# Altium PCB SAMA5D27-SOM1-MFG-03.PcbDoc (part 2 of 6)
Units mm, origin at the board's own origin, x right, y up, seen from the top; angles counter-clockwise.
Board outline 40.03 x 38.03 mm, 6 copper layers (TOP, GND, IN2, IN3, PWR, BOTTOM), stack 1.24 mm thick; 188 components, 224 nets, 901 pads, 644 vias.
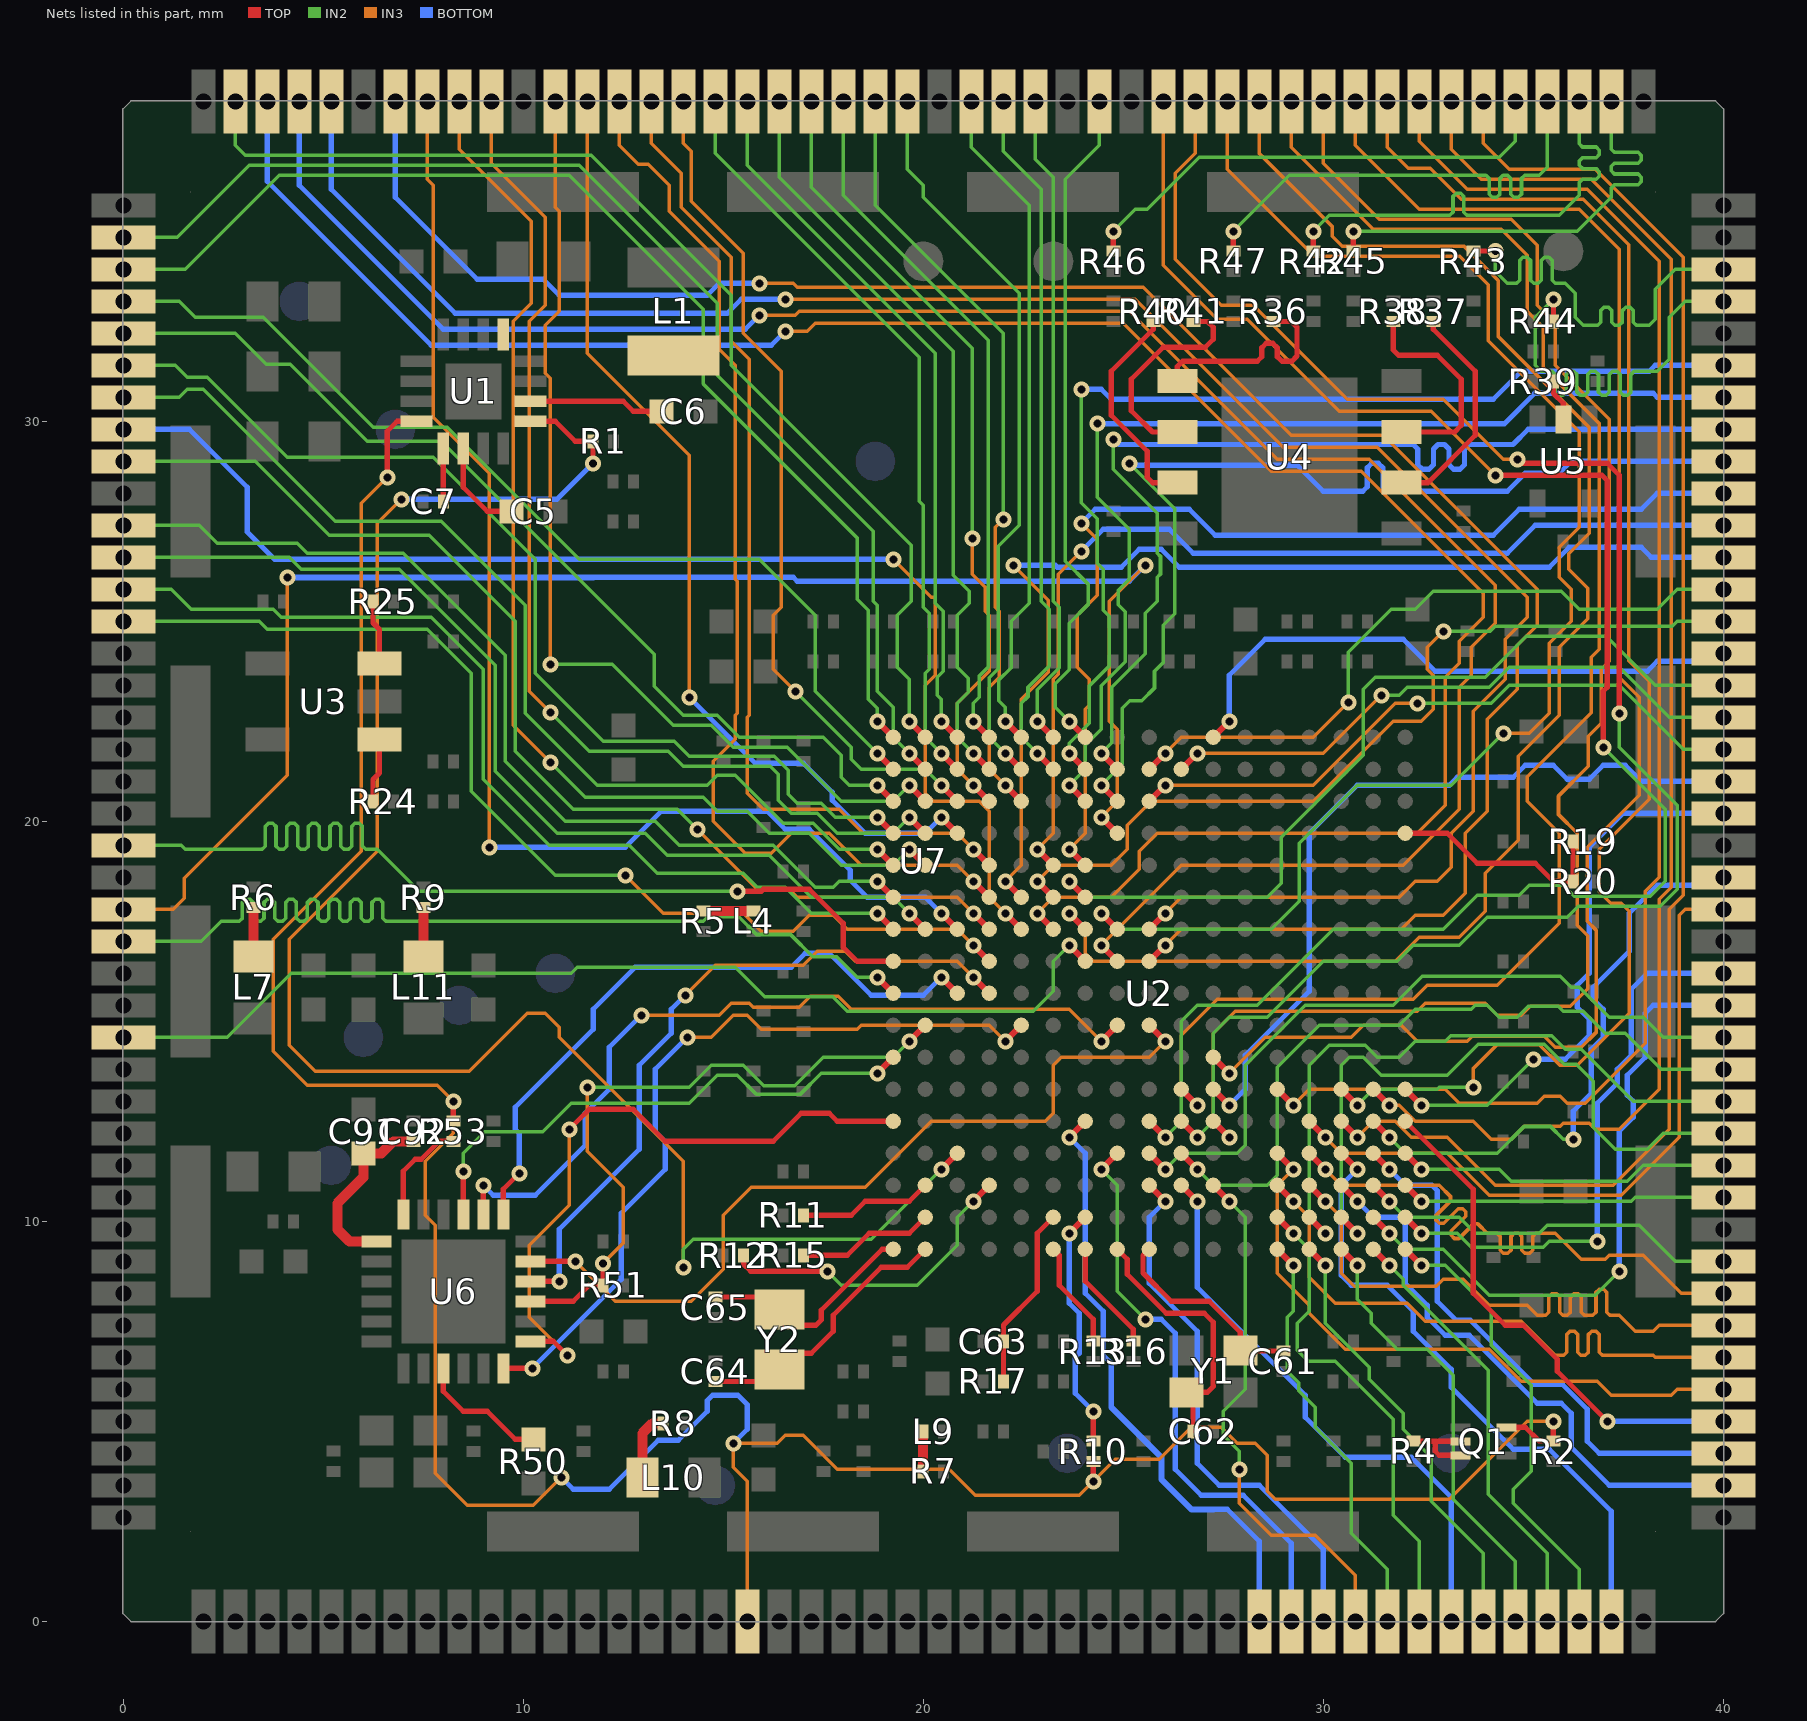
[diagram p6: the nets of this part, all layers, seen from the top]

## Via types
v1: diameter 0.4, hole 0.2, TOP to BOTTOM, tented both sides, 644 vias

## Nets (pads, with @x,y where several pads share a name; then routed paths per layer and width w, separated by ;. In a path a pad name is that pad's centre, name@x,y a point inside that pad or via, vN(x,y) a via of type N, cw(c..) or ccw(c..) an arc to the next point about the centre after c; other vN are vias at no path point) (continued)
GRX0_PD13: U2.N1 U6.13 | length 16.5
  TOP w0.13: U6.13@10.175,7 10.75,7 v1(11.1,6.65) ; v1(11.15,12.3) 11.65,12.8 12.75,12.8 13.55,12 16.25,12 16.95,12.7 17.65,12.7 17.85,12.5 U2.N1@19.25,12.5
  IN3 w0.09: v1(11.1,6.65) 10.15,7.6 10.15,9.4 11.15,10.4 v1(11.15,12.3)
GRX1_PD14: U2.K5 U6.12 | length 19.9
  TOP w0.13: U6.12@9.5,6.325 v1(10.225,6.325)
  TOP w0.15: v1(22.05,14.5) U2.K5@22.45,14.9
  IN3 w0.09: v1(14.1,14.6) 14.7,14.6 15.25,15.15 15.6,15.15 15.95,14.8 18.35,14.8 18.45,14.9 21.65,14.9 v1(22.05,14.5)
  BOTTOM w0.13: v1(10.225,6.325) 12.45,8.55 12.45,10.2 13.55,11.3 13.55,12 13.3,12.25 13.3,13.8 v1(14.1,14.6)
GRXDV_PD11: R51.2 U2.K2 U6.15 | length 17
  TOP w0.13: U6.15@10.175,8 11.25,8 11.65,8.4 R51.2@11.995,8.4 v1(11.995,8.95)
  TOP w0.15: v1(19.65,14.5) U2.K2@20.05,14.9
  IN2 w0.09: v1(11.6,13.35) 14.15,13.35 14.7,13.9 15.5,13.9 16.01,13.39 16.79,13.39 17.5,14.1 19.25,14.1 v1(19.65,14.5)
  IN3 w0.09: v1(11.6,13.35) 11.6,11.75 12.5,10.85 12.5,9.455 v1(11.995,8.95)
GRXER_PD12: U2.K9 U6.17 | length 21
  TOP w0.13: U6.17@10.175,9 v1(11.3,9)
  TOP w0.15: U2.K9@25.65,14.9 v1(26.05,14.5)
  IN3 w0.09: v1(11.3,9) 12.3,8 14.2,8 15,8.8 15,10.15 15.7,10.85 18.55,10.85 20.2,12.5 23.05,12.5 23.25,12.7 23.25,13.9 23.45,14.1 25.65,14.1 v1(26.05,14.5)
GTX0_PD15: U2.K8 U6.20 | length 20.5
  TOP w0.13: U6.20@9,10.175 v1(9,10.9)
  TOP w0.15: v1(24.45,14.5) U2.K8@24.85,14.9
  IN3 w0.09: v1(12.95,15.15) 14.9,15.15 15.2,15.45 15.65,15.45 15.75,15.35 16.9,15.35 17.175,15.625 17.875,15.625 18.2,15.3 23.65,15.3 v1(24.45,14.5)
  BOTTOM w0.13: v1(9,10.9) 9.25,10.65 10.3,10.65 11.55,11.9 11.55,12.7 12.15,13.3 12.15,14.35 v1(12.95,15.15)
GTX1_PD16: U2.L1 U6.21 | length 13.7
  TOP w0.13: U6.21@8.5,10.175 v1(8.5,11.25)
  TOP w0.15: v1(18.85,13.7) U2.L1@19.25,14.1
  IN2 w0.09: v1(8.5,11.25) 8.5,11.7 9.035,12.235 10.485,12.235 11.2,12.95 14.15,12.95 14.85,13.65 15.35,13.65 15.82,13.18 16.93,13.18 17.45,13.7 v1(18.85,13.7)
GTXCK_PD09: U2.J4 U6.16 | length 17.7
  TOP w0.13: U6.16@10.175,8.5 v1(10.9,8.5)
  TOP w0.15: v1(21.25,16.1) U2.J4@21.65,15.7
  IN3 w0.09: v1(14.05,15.65) 14.8,16.4 17,16.4 17.35,16.75 18.05,16.75 18.3,16.5 20.85,16.5 v1(21.25,16.1)
  BOTTOM w0.13: v1(10.9,8.5) 10.9,9.8 12.9,11.8 12.9,13.9 13.7,14.7 13.7,15.3 v1(14.05,15.65)
GTXEN_PD10: U2.J3 U6.19 | length 16.6
  TOP w0.13: U6.19@9.5,10.175 9.5,10.8 v1(9.9,11.2)
  TOP w0.15: v1(20.45,16.1) U2.J3@20.85,15.7
  BOTTOM w0.13: v1(9.9,11.2) 9.9,12.2 9.8,12.3 9.8,12.85 11.75,14.8 11.75,15.3 12.8,16.35 16.7,16.35 17.05,16.7 17.65,16.7 18.7,15.65 20,15.65 v1(20.45,16.1)
LOWQ#: R1.1 U1.1 U2.P3 | length 45.6
  TOP w0.13: U1.1@10.175,30 10.8,30 11.3,29.5 R1.1@11.745,29.5 v1(11.745,28.95)
  TOP w0.15: v1(20.45,11.3) U2.P3@20.85,11.7
  IN2 w0.09: v1(14,8.85) 14,9.3 14.25,9.55 18.7,9.55 v1(20.45,11.3)
  IN3 w0.09: v1(6.95,28.05) 6.35,27.45 6.35,19.25 4.15,17.05 4.15,14.4 4.8,13.75 8.65,13.75 10.1,15.2 10.55,15.2 10.9,14.85 10.9,14.6 14,11.5 v1(14,8.85)
  BOTTOM w0.13: v1(6.95,28.05) 10.845,28.05 v1(11.745,28.95)
N60136: C5.2 U1.14 | length 2.4
  TOP w0.13: U1.14@8.5,29.325 8.5,28.35 9.1,27.75 C5.2@9.7,27.75
N60145: C6.2 U1.2 | length 3.4
  TOP w0.13: U1.2@10.175,30.5 12.5,30.5 12.75,30.25 C6.2@13.45,30.25
N60152: C7.2 U1.13 | length 1.3
  TOP w0.13: U1.13@8,29.325 8,28.005 C7.2@8.005,28
N60658: L1.1 U1.5
N65779: R41.2 U4.6 | length 5.5
  TOP w0.13: U4.6@26.35,29.735 25.73,29.735 25.2,30.265 25.2,31.05 26,31.85 27.05,31.85 27.25,32.05 27.25,32.35 27.105,32.495 R41.2@26.75,32.495
N65781: R40.2 U4.7 | length 5.5
  TOP w0.13: R40.2@25.75,32.495 25.75,32.3 24.7,31.25 24.7,30.15 25.6,29.25 25.6,28.6 25.735,28.465 U4.7@26.35,28.465
N65787: R38.2 U4.3 | length 5.4
  TOP w0.13: R38.2@31.75,32.495 31.75,31.78 31.88,31.65 32.85,31.65 33.45,31.05 33.45,29.9 33.285,29.735 U4.3@31.95,29.735
N65789: R36.2 U4.5 | length 5.5
  TOP w0.13: U4.5@26.35,31.005 26.35,31.37 26.48,31.5 28.347,31.5 28.462,31.614 28.462,31.836 28.576,31.95 28.737,31.95 28.852,31.836 28.852,31.614 28.966,31.5 29.216,31.5 29.346,31.63 29.346,32.354 29.205,32.495 R36.2@28.75,32.495
N65791: R37.2 U4.2 | length 5.6
  TOP w0.13: U4.2@31.95,28.465 32.615,28.465 33.8,29.65 33.8,31.25 32.75,32.3 R37.2@32.75,32.495
N75160: R25.1 U3.3 | length 1.6
  TOP w0.13: R25.1@6.245,25.5 6.245,24.955 6.405,24.795 U3.3@6.405,23.95
N75249: R24.1 U3.1 | length 1.6
  TOP w0.13: R24.1@6.245,20.5 6.245,21.045 6.405,21.205 U3.1@6.405,22.05
N83378: C91.1 C92.2 U6.1 | length 4.6
  TOP w0.25: U6.1@6.325,9.5 5.65,9.5 5.35,9.8 5.35,10.45 6,11.1 C91.1@6,11.7 6.45,11.7 6.75,12 7.245,12 C92.2@7.25,11.995
N83440: R50.2 U6.9 | length 3.3
  TOP w0.13: U6.9@8,6.325 8,5.75 8.5,5.25 9.1,5.25 9.8,4.55 R50.2@10.25,4.55
N84773: R53.1 U6.24 | length 2.6
  TOP w0.13: U6.24@7,10.175 7,11.25 7.3,11.55 7.45,11.55 7.9,12 8.245,12 R53.1@8.25,11.995
N96789: Q1.5 Q1.6 R4.1 | length 2.1
  TOP w0.13: R4.1@32.25,4.505 32.255,4.5 32.8,4.5 ; Q1.6@33.425,4.15 32.9,4.15 32.8,4.25 32.8,4.5 ; Q1.5@33.425,4.5 32.8,4.5
N475155: R19.1 R20.1 U2.D17 | length 5.7
  TOP w0.13: U2.D17@32.05,19.7 33.1,19.7 33.85,18.95 35.3,18.95 35.75,18.5 R20.1@36.245,18.5 R19.1@36.245,19.5
N548565: L4.1 R5.2 | length 1.3
  TOP w0.25: R5.2@14.5,17.755 L4.1@15.75,17.755
N550521: L10.1 R8.2 | length 1.7
  TOP w0.25: L10.1@12.975,3.6 12.975,4.7 13.225,4.95 R8.2@13.495,4.95
N556458: R16.1 U2.U7 | length 2.8
  TOP w0.13: U2.U7@24.05,9.3 24.05,8.5 25.25,7.3 R16.1@25.25,7.005
N556482: R13.1 U2.U6 | length 2.7
  TOP w0.13: U2.U6@23.25,9.3 23.4,9.15 23.4,8.4 24.25,7.55 R13.1@24.25,7.005
N556582: C62.2 U2.U8 Y1.3 | length 6.8
  TOP w0.13: U2.U8@24.85,9.3 25.1,9.05 25.1,8.676 26.076,7.7 27.026,7.7 27.25,7.476 27.25,5.867 27.108,5.725 Y1.3@26.575,5.725 26.745,5.555 C62.2@26.745,4.75
N556590: C61.2 U2.U9 Y1.1 | length 5.2
  TOP w0.13: U2.U9@25.65,9.3 25.492,9.142 25.492,8.708 26.2,8 27.15,8 27.925,7.225 Y1.1@27.925,6.775 27.945,6.755 C61.2@29,6.755
N556626: C64.2 U2.U2 Y2.1 | length 6.9
  TOP w0.13: C64.2@14.8,5.995 16.095,5.995 Y2.1@16.4,6.3 16.8,6.7 17.2,6.7 17.75,7.25 17.75,7.65 18.95,8.85 19.6,8.85 U2.U2@20.05,9.3
N556646: C65.2 U2.U1 Y2.2 | length 5.7
  TOP w0.13: C65.2@14.8,8.105 16.095,8.105 Y2.2@16.4,7.8 16.8,7.4 17.32,7.4 17.45,7.53 17.45,7.774 18.976,9.3 U2.U1@19.25,9.3
N556866: C63.2 R17.2 U2.T6 | length 4.6
  TOP w0.13: R17.2@22.005,6 C63.2@22.005,7 22.005,7.405 22.85,8.25 22.85,9.7 U2.T6@23.25,10.1
N556920: R15.2 U2.T2 | length 3.4
  TOP w0.13: R15.2@17.005,9.15 18.1,9.15 18.65,9.7 19.65,9.7 U2.T2@20.05,10.1
N556986: R11.2 U2.R2 | length 3.4
  TOP w0.13: R11.2@17.005,10.15 18.2,10.15 18.55,10.5 19.65,10.5 U2.R2@20.05,10.9
N557072: R10.2 U2.T7 | length 6.1
  TOP w0.13: R10.2@24.25,4.505 v1(24.25,5.25)
  TOP w0.15: v1(23.65,9.7) U2.T7@24.05,10.1
  BOTTOM w0.13: v1(23.65,9.7) 23.65,7.95 23.9,7.7 23.9,6.7 23.8,6.6 23.8,5.7 v1(24.25,5.25)
N557076: R12.2 U2.R4 | length 8
  TOP w0.13: R12.2@15.505,9.15 15.505,8.93 15.685,8.75 v1(17.6,8.75)
  TOP w0.15: v1(21.25,10.5) U2.R4@21.65,10.9
  IN2 w0.09: v1(17.6,8.75) 17.95,8.4 19.85,8.4 20.85,9.4 20.85,10.1 v1(21.25,10.5)
N558800: L7.1 R6.2 | length 1.2
  TOP w0.25: L7.1@3.25,16.625 R6.2@3.25,17.845
N558888: L9.1 R7.2 | length 1
  TOP w0.25: R7.2@19.995,3.75 L9.1@19.995,4.75
N558996: L11.1 R9.2 | length 1.2
  TOP w0.25: L11.1@7.5,16.625 R9.2@7.5,17.845
N654631: R39.1 U5.2 | length 1.1
  TOP w0.13: R39.1@35.755,31 35.755,30.695 36,30.45 U5.2@36,30.05
NRST: Q1.3 R2.1 R10.1 R53.2 U1.12 U7.60 | length 74.5
  TOP w0.13: v1(6.6,28.6) 6.6,29.75 6.85,30 U1.12@7.325,30 ; R53.2@8.25,12.505 v1(8.25,13) ; v1(24.25,3.5) R10.1@24.25,3.995 ; Q1.3@34.575,4.85 35.05,4.85 35.395,4.505 R2.1@35.75,4.505 v1(35.75,5)
  IN3 w0.09: v1(6.6,28.6) 5.95,27.95 5.95,19.25 3.75,17.05 3.75,14.25 4.6,13.4 7.85,13.4 v1(8.25,13) 8.25,12.2 7.55,11.5 7.55,10.15 7.8,9.9 7.8,3.7 8.6,2.9 10.25,2.9 v1(10.95,3.6) ; U7.60@15.6,0 15.6,3.5 15.25,3.85 v1(15.25,4.45) 16.35,4.45 16.55,4.65 17,4.65 17.85,3.8 20.65,3.8 21.3,3.15 23.9,3.15 v1(24.25,3.5) 24.8,4.05 25.9,4.05 26.7,4.85 27.45,4.85 27.85,4.45 28.3,4.45 28.6,4.15 28.6,3.25 28.8,3.05 33.15,3.05 35.1,5 v1(35.75,5)
  BOTTOM w0.13: v1(10.95,3.6) 11.25,3.3 12.15,3.3 13.375,4.525 13.875,4.525 14.6,5.25 14.6,5.52 14.73,5.65 15.37,5.65 15.6,5.42 15.6,4.8 v1(15.25,4.45)
PA00/SDMMC0_CK/QSPIO0_SLK/D0: U2.U13 U7.80 | length 10.6
  TOP w0.15: U2.U13@28.85,9.3 v1(29.25,8.9)
  IN2 w0.09: v1(29.25,8.9) 29.25,7.75 29.1,7.6 29.1,6.25 29.385,5.965 29.385,5.765 29.8,5.35 29.8,4.85 30.7,3.95 30.7,2.2 31.6,1.3 U7.80@31.6,0
PA01/SDMMC0_CMD/QSPI0_CS/D1: U2.N7 U7.76 | length 15.2
  TOP w0.15: v1(23.65,12.1) U2.N7@24.05,12.5
  BOTTOM w0.13: v1(23.65,12.1) 24.05,11.7 24.05,8.2 24.5,7.75 24.5,6.65 24.7,6.45 24.7,5.35 ; 27.25,2.8 27.6,2.8 28.4,2 U7.76@28.4,0
  BOTTOM w0.15: 24.7,5.35 25.95,4.1 25.95,3.55 26.7,2.8 27.25,2.8
PA02/SDMMC0_DAT0/QSPI0_IO0/D2: U2.U14 U7.83 | length 11.1
  TOP w0.15: U2.U14@29.65,9.3 v1(30.05,8.9)
  IN2 w0.09: v1(30.05,8.9) 30.05,7.45 31.15,6.35 31.15,6.05 32,5.2 32,4.8 32.7,4.1 32.7,3 34,1.7 U7.83@34,0
PA03/SDMMC0_DAT1/QSPI0_IO1/D3: U2.T13 U7.81 | length 12.2
  TOP w0.15: U2.T13@28.85,10.1 v1(29.25,9.7)
  IN2 w0.09: v1(29.25,9.7) 29.65,9.3 29.65,7.75 29.35,7.45 29.35,6.779 29.629,6.5 30.3,6.5 31.75,5.05 31.75,2.65 32.4,2 U7.81@32.4,0
PA04/SDMMC0_DAT2/QSPI0_IO2/D4: U2.U15 U7.84 | length 11.5
  TOP w0.15: U2.U15@30.45,9.3 v1(30.85,8.9)
  IN2 w0.09: v1(30.85,8.9) 30.85,8.05 31.2,7.7 31.2,7.45 31.85,6.8 32.6,6.8 33.25,6.15 33.25,3.05 34.8,1.5 U7.84@34.8,0
PA05/SDMMC0_DAT3/QSPI0_IO3/D5: U2.U16 U7.85 | length 11.1
  TOP w0.15: U2.U16@31.25,9.3 v1(31.65,8.9)
  IN2 w0.09: v1(31.65,8.9) 32,8.55 32,8.4 34.125,6.275 34.125,3.175 35.6,1.7 U7.85@35.6,0
PA06/SDMMC0_DAT4/TIOA5/FLEXCOM2: U2.U17 U7.86 | length 11.8
  TOP w0.15: U2.U17@32.05,9.3 v1(32.45,8.9)
  IN2 w0.09: v1(32.45,8.9) 33.05,8.9 34.2,7.75 34.2,6.9 35.2,5.9 35.2,3.75 34.75,3.3 34.75,2.95 36.4,1.3 U7.86@36.4,0
PA07/SDMMC0_DAT5/TIOB5/FLEXCOM2: U2.R11 U7.79 | length 13.5
  TOP w0.15: U2.R11@27.25,10.9 v1(27.65,10.5)
  IN2 w0.09: v1(27.65,10.5) 28.05,10.1 28.05,5.8 27.5,5.25 27.5,4.65 27.9,4.25 v1(27.9,3.8)
  IN3 w0.09: v1(27.9,3.8) 27.9,2.95 28.7,2.15 29.8,2.15 30.8,1.15 U7.79@30.8,0
PA08/SDMMC0_DAT6/TCLK5/FLEXCOM2: U2.R9 U7.78 | length 13.6
  TOP w0.15: U2.R9@25.65,10.9 v1(26.05,10.5)
  BOTTOM w0.13: v1(26.05,10.5) 25.65,10.1 25.65,8.45 26.85,7.25 26.85,3.95 27.4,3.4 28.4,3.4 30,1.8 U7.78@30,0
PA09/SDMMC0_DAT7/TIOA4/FLEXCOM2: U2.P8 U7.77 | length 14.7
  TOP w0.15: v1(24.45,11.3) U2.P8@24.85,11.7
  IN2 w0.09: v1(24.45,11.3) 24.85,10.9 24.85,8.25 v1(25.55,7.55)
  BOTTOM w0.13: v1(25.55,7.55) 25.95,7.55 26.3,7.2 26.3,3.8 26.95,3.15 28,3.15 29.2,1.95 U7.77@29.2,0
PA10/SDMMC0_RSTN/TIOB4/FLEXCOM2: U2.R10 U7.82 | length 14.7
  TOP w0.15: U2.R10@26.45,10.9 v1(26.85,10.5)
  BOTTOM w0.13: v1(26.85,10.5) 26.85,8.35 29.55,5.65 29.55,5.1 30.55,4.1 32.2,4.1 33.2,3.1 U7.82@33.2,0
PA11/SDMMC0_VDDSEL/TCLK4/A22/NA: U2.P15 U7.87 | length 15.9
  TOP w0.15: U2.P15@30.45,11.7 v1(30.85,11.3)
  BOTTOM w0.13: v1(30.85,11.3) 30.45,10.9 30.45,8.65 30.7,8.4 31.6,8.4 32.25,7.75 32.25,7.25 33.2,6.3 33.2,5.85 34.75,4.3 35.65,4.3 37.2,2.75 U7.87@37.2,0
PA12/SDMMC0_WP/IRQ/NRD/NANDOE: U2.N17 U7.92 | length 12.8
  TOP w0.13: U2.N17@32.05,12.5 33.75,10.8 33.75,8.2 34.55,7.4 35,7.4 35.85,6.55 35.85,6.25 v1(37.1,5)
  BOTTOM w0.13: v1(37.1,5) U7.92@40,5
PA13/SDMMC0_CD/FLEXCOM3_IO1/D8: U2.P16 U7.91 | length 13.9
  TOP w0.15: U2.P16@31.25,11.7 v1(31.65,11.3)
  BOTTOM w0.13: v1(31.65,11.3) 32.05,10.9 32.72,10.9 32.85,10.77 32.85,8 33.325,7.525 33.675,7.525 35.275,5.925 35.975,5.925 36.6,5.3 36.6,4.5 36.9,4.2 U7.91@40,4.2
PA14/SPI0_SPCK/TK1/QSPI0_SCK/I2: U2.M17 U7.111 | length 14.1
  TOP w0.15: U2.M17@32.05,13.3 v1(32.45,12.9)
  IN2 w0.09: v1(32.45,12.9) 34.1,12.9 v1(35.25,14.05)
  BOTTOM w0.13: v1(35.25,14.05) 36.05,14.05 36.65,14.65 36.65,15.05 36.35,15.35 36.35,15.9 36.65,16.2 36.65,19.35 37.5,20.2 U7.111@40,20.2
PA15/SPI0_MOSI/TF1/QSPI0_CS/I2S: U2.N16 U7.109 | length 14.9
  TOP w0.15: U2.N16@31.25,12.5 v1(31.65,12.1)
  IN2 w0.09: v1(31.65,12.1) 32.05,11.7 34.35,11.7 35.02,12.37 35.68,12.37 36,12.05 v1(36.25,12.05)
  BOTTOM w0.13: v1(36.25,12.05) 36.25,12.75 36.7,13.2 36.7,14.3 37,14.6 37,15.3 36.75,15.55 36.75,15.85 37.65,16.75 37.65,17.7 38.35,18.4 39.8,18.4 U7.109@40,18.6
PA16/SPI0_MISO/TD1/QSPI0_IO0/I2: U2.M11 U7.112 | length 19.7
  TOP w0.15: U2.M11@27.25,13.3 v1(27.65,12.9)
  BOTTOM w0.13: v1(27.65,12.9) 28.05,13.3 28.05,14.15 29.65,15.75 29.65,19.7 30.85,20.9 33.15,20.9 33.35,21.1 34.75,21.1 35.05,21.4 35.75,21.4 36.1,21.05 36.65,21.05 37,21.4 37.55,21.4 37.95,21 U7.112@40,21
PA17/SPI0_NPCS0/RD1/QSPI0_IO1/I: U2.N14 U7.108 | length 17.3
  TOP w0.15: U2.N14@29.65,12.5 v1(30.05,12.1)
  IN3 w0.09: v1(30.05,12.1) 30.45,11.7 33.1,11.7 34.15,10.65 37.45,10.65 38.9,12.1 38.9,17.65 39.05,17.8 U7.108@40,17.8
PA18/SPI0_NPCS1/RK1/QSPI0_IO2/I: U2.T16 U7.105 | length 16.1
  TOP w0.15: U2.T16@31.25,10.1 v1(31.65,9.7)
  IN2 w0.09: v1(31.65,9.7) 32.05,9.3 33,9.3 34.15,8.15 36.8,8.15 v1(37.4,8.75)
  BOTTOM w0.13: v1(37.4,8.75) 37.4,12.25 37.75,12.6 37.75,13 37.6,13.15 37.6,13.65 38.05,14.1 38.05,15.2 38.25,15.4 U7.105@40,15.4
PA19/SPI0_NPCS2/RF1/QSPI0_IO3/T: U2.T15 U7.101 | length 17
  TOP w0.15: U2.T15@30.45,10.1 v1(30.85,9.7)
  IN2 w0.09: v1(30.85,9.7) 30.45,10.1 30.45,13.9 30.65,14.1 31,14.1 31.45,13.65 33.1,13.65 33.875,14.425 35.525,14.425 36.025,13.925 36.325,13.925 36.75,13.5 36.75,12.35 37.3,11.8 38.1,11.8 38.5,12.2 U7.101@40,12.2
PA20/SPI0_NPCS3/TIOB0/SDMMC1_DA: U2.P9 U7.104 | length 18.3
  TOP w0.15: U2.P9@25.65,11.7 v1(26.05,11.3)
  IN2 w0.09: v1(26.05,11.3) 26.45,11.7 27.85,11.7 28.05,11.9 28.05,13.9 29.55,15.4 31.75,15.4 32.475,16.125 35.925,16.125 36.2,15.85 36.4,15.85 37.15,15.1 38,15.1 38.5,14.6 U7.104@40,14.6
PA21/PCK2/IRQ/TCLK0/SDMMC1_DAT3: U2.P10 U7.103 | length 18.2
  TOP w0.15: U2.P10@26.45,11.7 v1(26.85,11.3)
  IN2 w0.09: v1(26.85,11.3) 27.25,10.9 28.6,10.9 28.85,11.15 28.85,13.85 29.9,14.9 31.9,14.9 32.3,15.3 33.7,15.3 33.8,15.4 34.1,15.4 34.4,15.1 34.85,15.1 35.125,15.375 35.875,15.375 36,15.25 36.5,15.25 37.05,14.7 37.55,14.7 38.45,13.8 U7.103@40,13.8
PA22/FLEXCOM1_IO2/SPI1_SPCK/SDM: U2.T17 U7.106 | length 14.3
  TOP w0.15: U2.T17@32.05,10.1 v1(32.45,9.7)
  IN2 w0.09: v1(32.45,9.7) 33.35,9.7 33.7,9.35 35.5,9.35 35.65,9.5 v1(36.85,9.5)
  BOTTOM w0.13: v1(36.85,9.5) 36.85,12.95 37.35,13.45 37.35,13.8 37.7,14.15 37.7,15.8 38.1,16.2 U7.106@40,16.2
PA23/FLEXCOM1_IO1/SPI1_MOSI/QSP: U2.T14 U7.102 | length 16.5
  TOP w0.15: U2.T14@29.65,10.1 v1(30.05,9.7)
  IN2 w0.09: v1(30.05,9.7) 29.65,10.1 29.65,13.9 30.15,14.4 31.05,14.4 31.35,14.1 31.9,14.1 32.3,14.5 33.05,14.5 33.185,14.635 35.715,14.635 36.05,14.3 36.45,14.3 37.75,13 U7.102@40,13
PA24/FLEXCOM1_IO0/SPI1_MISO/QSP: U2.R17 U7.99 | length 8.2
  TOP w0.15: U2.R17@32.05,10.9 v1(32.45,10.5)
  IN2 w0.09: v1(32.45,10.5) 37.7,10.5 37.8,10.6 U7.99@40,10.6
PA25/FLEXCOM1_IO3/SPI1_NPCS0/QS: U2.R16 U7.97 | length 9.7
  TOP w0.15: U2.R16@31.25,10.9 v1(31.65,10.5)
  IN2 w0.09: v1(31.65,10.5) 32.05,10.1 33.4,10.1 33.8,9.7 35.4,9.7 35.6,9.9 37.9,9.9 38.8,9 U7.97@40,9
PA26/FLEXCOM1_IO4/SPI1_NPCS1/QS: U2.P17 U7.100 | length 8.4
  TOP w0.15: U2.P17@32.05,11.7 v1(32.45,11.3)
  IN2 w0.09: v1(32.45,11.3) 34.4,11.3 34.7,11 37.6,11 38,11.4 U7.100@40,11.4
PA27/TIOA1/D5/SPI0_NPCS2/SPI1_N: U2.R15 U7.90 | length 14.2
  TOP w0.15: U2.R15@30.45,10.9 v1(30.85,10.5)
  BOTTOM w0.13: v1(30.85,10.5) 31.25,10.1 31.9,10.1 32.05,9.95 32.05,8.45 32.6,7.9 32.6,7.6 33.05,7.15 33.65,7.15 35.35,5.45 35.95,5.45 36.2,5.2 36.2,4.35 37.15,3.4 U7.90@40,3.4
PA28/TIOB1/SPI0_NPCS3/SPI1_NPCS: U2.R14 U7.95 | length 15.8
  TOP w0.15: U2.R14@29.65,10.9 v1(30.05,10.5)
  IN3 w0.09: v1(30.05,10.5) 30.45,10.1 30.45,8.7 30.775,8.375 32.825,8.375 33,8.55 33.5,8.55 34.15,7.9 35.1,7.9 35.35,7.65 35.56,7.65 35.639,7.729 35.639,8.106 35.718,8.185 35.83,8.185 35.909,8.106 35.909,7.729 35.988,7.65 36.1,7.65 36.179,7.729 36.179,8.106 36.258,8.185 36.37,8.185 36.449,8.106 36.449,7.729 36.528,7.65 36.738,7.65 36.817,7.729 36.817,8.221 36.896,8.3 37.008,8.3 37.087,8.221 37.087,7.729 37.166,7.65 37.4,7.65 37.8,7.25 38.25,7.25 38.4,7.4 U7.95@40,7.4
PA29/TCLK1/SPI0_NPCS1/SDMMC1_WP: U2.P14 U7.96 | length 15.8
  TOP w0.15: U2.P14@29.65,11.7 v1(30.05,11.3)
  IN3 w0.09: v1(30.05,11.3) 30.45,10.9 32.9,10.9 33.181,10.619 33.181,10.507 32.818,10.144 32.818,10.032 32.897,9.953 33.009,9.953 33.372,10.316 33.484,10.316 33.563,10.237 33.563,10.125 33.2,9.762 33.2,9.65 33.279,9.571 33.391,9.571 33.754,9.934 33.866,9.934 34.1,9.7 34.344,9.7 34.423,9.621 34.423,9.279 34.503,9.2 34.614,9.2 34.693,9.279 34.693,9.621 34.773,9.7 34.884,9.7 34.963,9.621 34.963,9.279 35.043,9.2 35.154,9.2 35.234,9.279 35.234,9.621 35.313,9.7 35.8,9.7 36.45,9.05 37.05,9.05 37.15,9.15 38,9.15 38.95,8.2 U7.96@40,8.2
PA30/SPI0_NPCS0/PWMH0/SDMMC1_CD: U2.R13 U7.94 | length 15.8
  TOP w0.15: U2.R13@28.85,10.9 v1(29.25,10.5)
  IN3 w0.09: v1(29.25,10.5) 29.65,10.1 29.65,8.6 30.3,7.95 32.1,7.95 32.55,7.5 34.95,7.5 35.8,6.65 36.01,6.65 36.089,6.729 36.089,7.171 36.168,7.25 36.28,7.25 36.359,7.171 36.359,6.729 36.438,6.65 36.55,6.65 36.629,6.729 36.629,7.171 36.708,7.25 36.82,7.25 36.899,7.171 36.899,6.729 36.978,6.65 38.25,6.65 38.3,6.6 U7.94@40,6.6
PA31/SPI0_MISO/PWML0/CLASSD_L3: U2.P13 U7.93 | length 15.9
  TOP w0.15: U2.P13@28.85,11.7 v1(29.25,11.3)
  IN3 w0.09: v1(29.25,11.3) 28.85,10.9 28.85,8.7 29.65,7.9 29.65,7.7 30.55,6.8 34.15,6.8 34.95,6 36.85,6 37.2,5.65 38.7,5.65 38.85,5.8 U7.93@40,5.8
PB00/SPI0_MOSI/PWMH1: U2.F5 U7.119 | length 27.7
  TOP w0.15: v1(22.05,18.5) U2.F5@22.45,18.1
  IN3 w0.09: v1(22.05,18.5) 22.45,18.9 22.45,23.05 23.125,23.725 23.125,25.525 v1(22.25,26.4)
  BOTTOM w0.13: v1(22.25,26.4) 23.3,26.4 23.35,26.35 24.95,26.35 25.4,26.8 25.95,26.8 26.4,26.35 35.65,26.35 36.15,26.85 37.95,26.85 38.2,26.6 U7.119@40,26.6
PB01/SPI0_SPCK/PWML1/CLASSD_R0: U2.C8 U7.122 | length 26.6